# KiCad board Lime_RFE.kicad_pcb (continued)
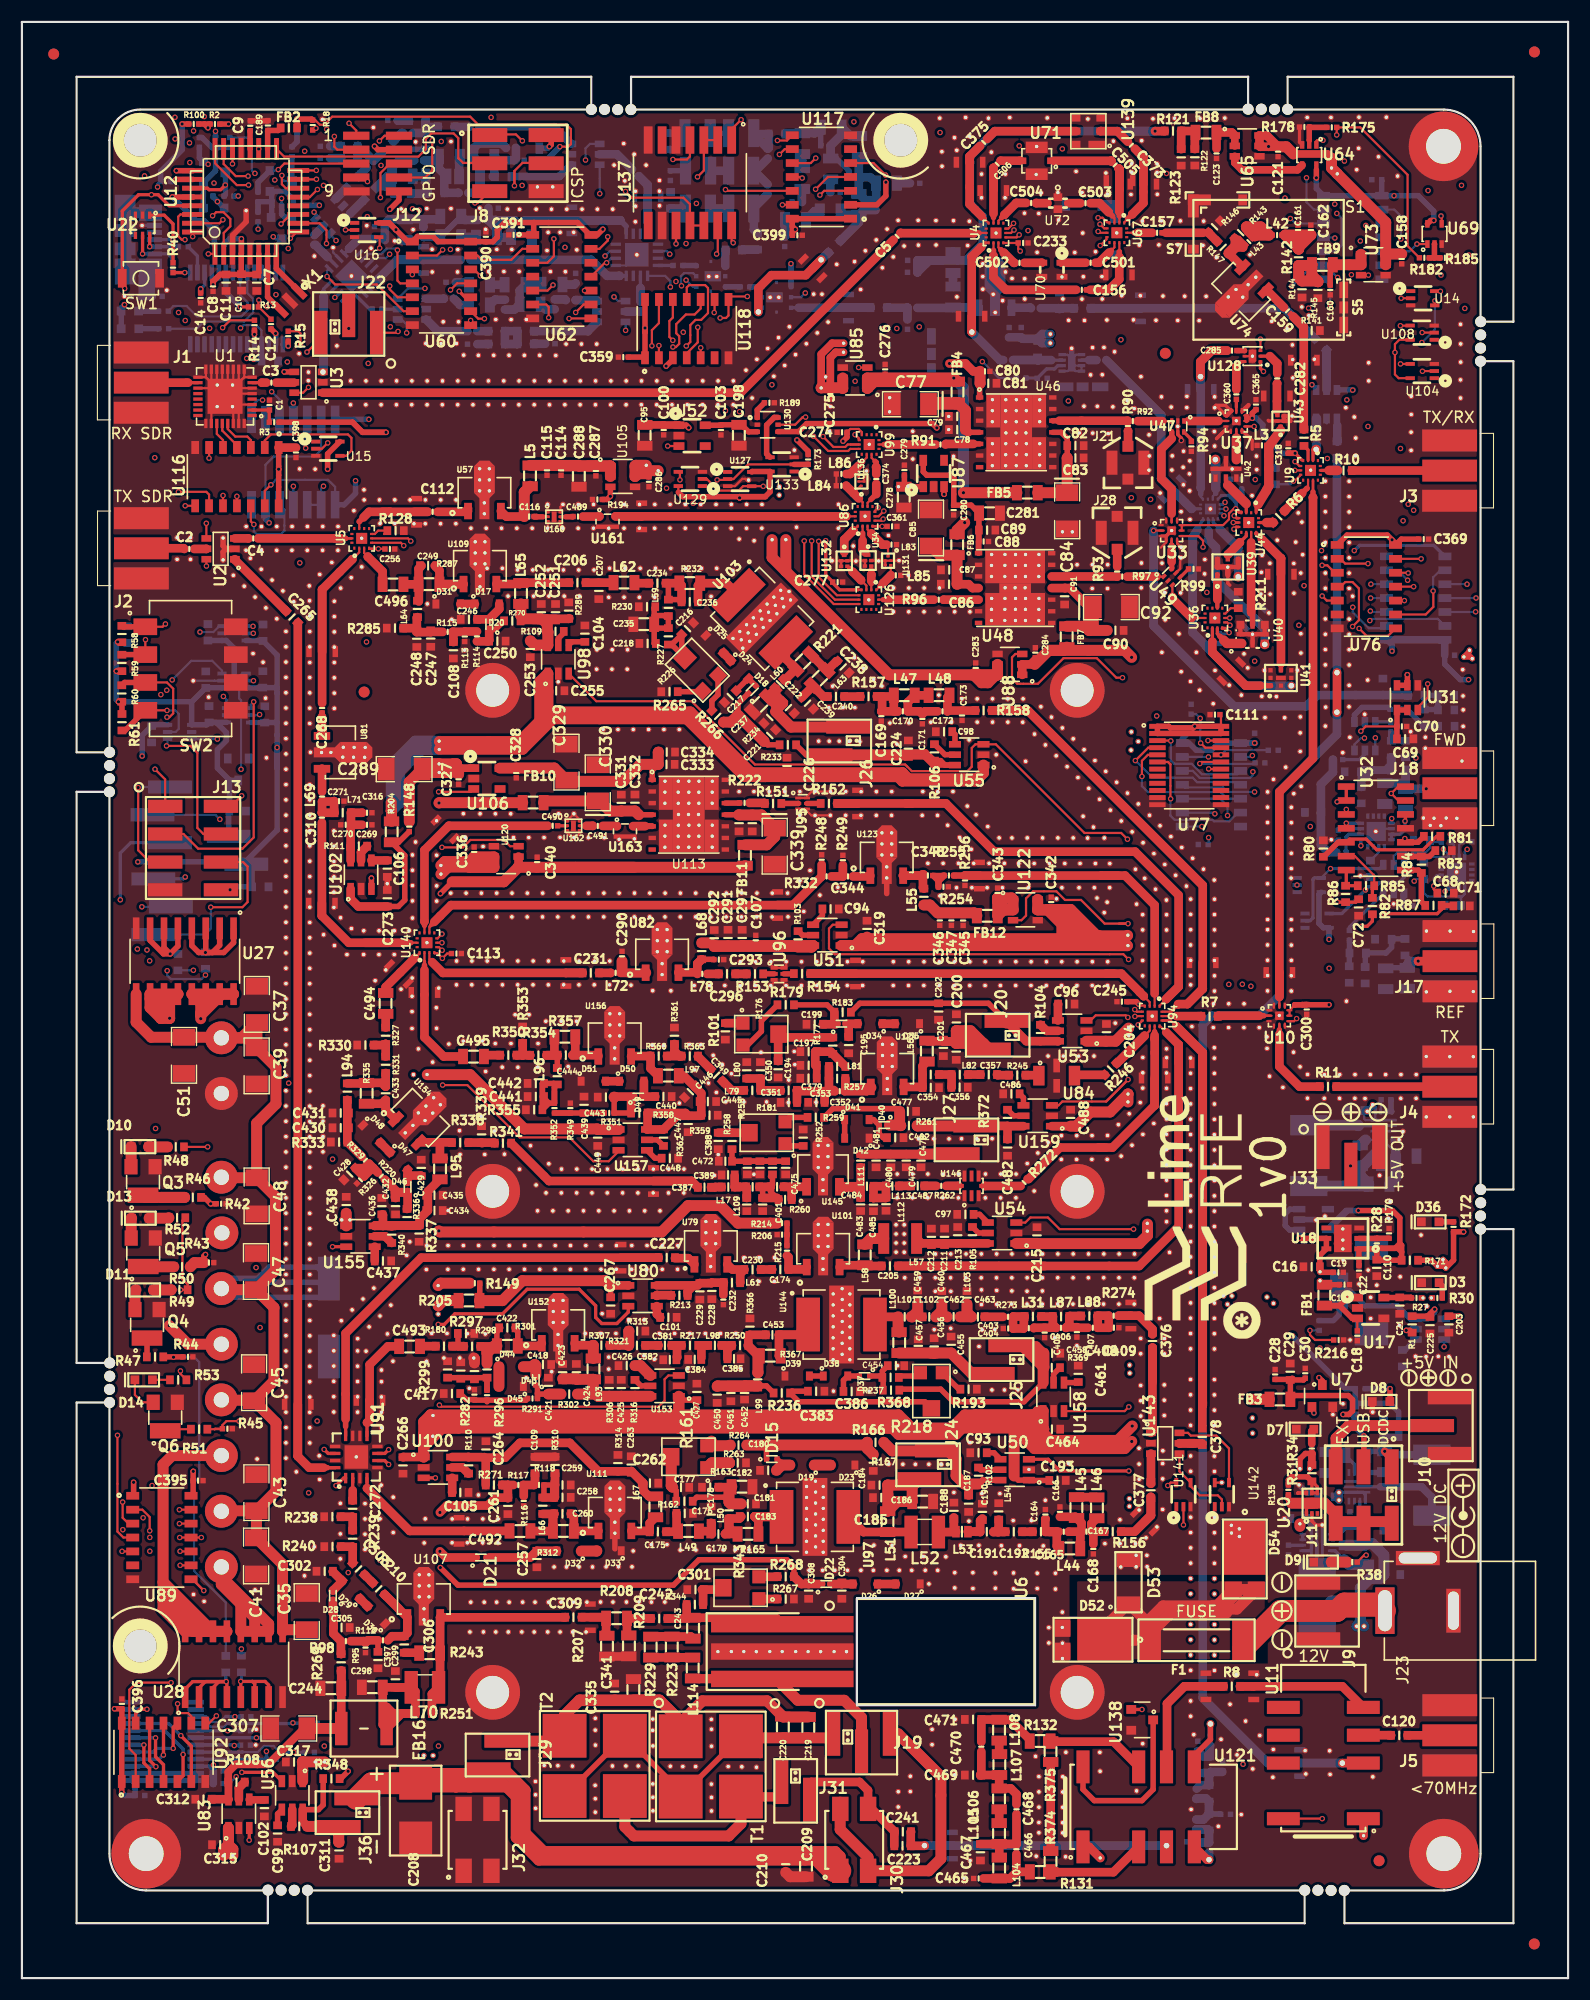
[diagram p0: board, top side]
## Placement (name value [footprint] x y rotation side) (continued)
GND_VIA#2154  VAL**  [GND_VIA]  54.57 42.69 0 bottom
GND_VIA#2155  VAL**  [GND_VIA]  54.57 43.69 0 bottom
GND_VIA#2156  VAL**  [GND_VIA]  111.41 153.39 0 bottom
GND_VIA#2157  VAL**  [GND_VIA]  112.6 155.21 0 bottom
GND_VIA#2158  VAL**  [GND_VIA]  111.89 154.53 0 bottom
GND_VIA#2159  VAL**  [GND_VIA]  110.09 153.41 0 bottom
GND_VIA#2160  VAL**  [GND_VIA]  110.79 154.09 0 bottom
GND_VIA#2161  VAL**  [GND_VIA]  26.15 146.55 0 bottom
GND_VIA#2162  VAL**  [GND_VIA]  26.14 145.78 0 bottom
GND_VIA#2163  VAL**  [GND_VIA]  106.7 15.39 0 bottom
GND_VIA#2164  VAL**  [GND_VIA]  110.89 20.37 0 bottom
GND_VIA#2165  VAL**  [GND_VIA]  37.15 35.79 0 bottom
GND_VIA#2166  VAL**  [GND_VIA]  37.15 34.79 0 bottom
GND_VIA#2167  VAL**  [GND_VIA]  36.69 33.7 0 bottom
GND_VIA#2168  VAL**  [GND_VIA]  36.69 32.7 0 bottom
GND_VIA#2169  VAL**  [GND_VIA]  36.26 34.79 0 bottom
GND_VIA#2170  VAL**  [GND_VIA]  36.26 35.79 0 bottom
GND_VIA#2171  VAL**  [GND_VIA]  36.26 36.81 0 bottom
GND_VIA#2172  VAL**  [GND_VIA]  37.15 36.81 0 bottom
GND_VIA#2173  VAL**  [GND_VIA]  36.79 78.26 180 bottom
GND_VIA#2174  VAL**  [GND_VIA]  37.49 78.94 180 bottom
GND_VIA#2175  VAL**  [GND_VIA]  35.69 77.81 180 bottom
GND_VIA#2176  VAL**  [GND_VIA]  34.98 77.13 180 bottom
GND_VIA#2177  VAL**  [GND_VIA]  36.17 78.96 180 bottom
GND_VIA#2178  VAL**  [GND_VIA]  38.19 79.7 180 bottom
GND_VIA#2179  VAL**  [GND_VIA]  37.57 80.34 180 bottom
GND_VIA#2180  VAL**  [GND_VIA]  36.87 79.58 180 bottom
GND_VIA#2181  VAL**  [GND_VIA]  20.46 161.28 0 bottom
GND_VIA#2182  VAL**  [GND_VIA]  57.52 85.12 0 bottom
GND_VIA#2183  VAL**  [GND_VIA]  58.55 85.09 0 bottom
GND_VIA#2184  VAL**  [GND_VIA]  61.93 85.17 0 bottom
GND_VIA#2185  VAL**  [GND_VIA]  60.9 85.2 0 bottom
GND_VIA#2186  VAL**  [GND_VIA]  63.08 84.2 0 bottom
GND_VIA#2187  VAL**  [GND_VIA]  63.91 83.38 0 bottom
GND_VIA#2188  VAL**  [GND_VIA]  64.75 82.53 0 bottom
GND_VIA#2189  VAL**  [GND_VIA]  67.44 84.48 0 bottom
GND_VIA#2190  VAL**  [GND_VIA]  65.89 79.94 0 bottom
GND_VIA#2191  VAL**  [GND_VIA]  67.96 79.95 0 bottom
GND_VIA#2192  VAL**  [GND_VIA]  49.85 83.19 0 bottom
GND_VIA#2193  VAL**  [GND_VIA]  43.83 83.13 0 bottom
GND_VIA#2194  VAL**  [GND_VIA]  45.26 83.11 0 bottom
GND_VIA#2195  VAL**  [GND_VIA]  47.07 83.14 0 bottom
GND_VIA#2196  VAL**  [GND_VIA]  42.32 82.73 0 bottom
GND_VIA#2197  VAL**  [GND_VIA]  112.07 157.26 0 bottom
H1  -  [HEAT_SINK_558-75AB]  69.63 71.79 0 bottom
IC1  -  [ADL5513]  123.58 104.64 0 bottom
IC2  -  [ADL5513]  130.91 100.91 270 bottom
J1  SMA_H_v3  [SMA_v2]  10.89 145.59 180 top
J2  SMA_H_v3  [SMA_v2]  10.9 130.47 180 top
J3  SMA_H_v3  [SMA_v2]  130.29 137.57 0 top
J4  SMA_H_v3  [SMA_v2]  130.3 81.34 0 top
J5  SMA_H_v3  [SMA_v2]  130.3 22.15 0 top
J6  -  [TSM-103-04-L-SV]  12.71 106.15 270 bottom
J7  -  [TSM-103-04-L-SV]  12.79 97.76 90 bottom
J8  -  [TSM-103-04-F-DV]  45.27 165.61 0 top
J9  -  [M20-8770342]  119.1 33.5 270 top
J10  -  [M20-8770342]  129.49 50.42 90 top
J11  -  [TSM-103-04-F-DV]  122.43 44.08 270 top
J12  M50-3600542  [PIN_HEADER_2X5]  32.46 165.58 0 top
J13  -  [TSM-104-04-T-DV]  15.62 103.12 0 top
J14  -  [TSM-102-04-T-SV]  19.67 102.92 90 bottom
J15  Screw_Terminal_1x02  [CONN_1757242]  18.2 83.26 90 bottom
J16  Screw_Terminal_1x08  [CONN_1757307]  18.2 55.3 90 bottom
J17  SMA_H_v3  [SMA_v2]  130.32 92.8 0 top
J18  SMA_H_v3  [SMA_v2]  130.31 108.58 0 top
J19  -  [TSM-103-04-L-SV]  76.62 21.49 180 top
J20  -  [TSM-102-04-T-SV]  89.05 86.04 90 top
J21  -  [UMC_SMD]  100.93 138.28 180 top
J22  -  [TSM-103-04-L-SV]  29.82 150.94 0 top
J23  -  [RAPC712X]  130.64 33.53 90 top
J24  -  [TSM-102-04-T-SV]  82.7 46.84 90 top
J25  -  [TSM-102-04-T-SV]  89.4 56.44 90 top
J26  -  [TSM-102-04-T-SV]  74.6 112.89 270 top
J27  -  [TSM-102-04-T-SV]  86.2 76.49 90 top
J28  -  [UMC_SMD]  99.95 131.89 0 top
J29  -  [TSM-102-04-T-SV]  43.4 20.35 90 top
J30  -  [PIN_HEADER_2X2_SSM-102-L-DV-K-TR]  75.95 12.61 90 top
J31  -  [TSM-102-04-T-SV]  70.61 17.08 0 top
J32  -  [PIN_HEADER_2X2_SSM-102-L-DV-K-TR]  41.58 12.61 90 top
J33  -  [M20-8770342]  121.27 75.03 180 top
J34  Jumper_SNM-100-BK-T  [SNM-100-BK-T]  13.12 104.83 90 bottom
J35  Jumper_SNM-100-BK-T  [SNM-100-BK-T]  12.89 99.09 270 bottom
J36  -  [TSM-102-04-T-SV]  29.71 15.09 270 top
J37  Jumper_SNM-100-BK-T  [SNM-100-BK-T]  125.01 44.15 0 top
J38  Jumper_SNM-100-BK-T  [SNM-100-BK-T]  28.57 150.68 180 top
J39  Jumper_SNM-100-BK-T  [SNM-100-BK-T]  84.19 46.88 90 top
J40  Jumper_SNM-100-BK-T  [SNM-100-BK-T]  90.38 86.02 90 top
J41  Jumper_SNM-100-BK-T  [SNM-100-BK-T]  75.87 112.92 90 top
J42  Jumper_SNM-100-BK-T  [SNM-100-BK-T]  44.82 20.4 90 top
J43  Jumper_SNM-100-BK-T  [SNM-100-BK-T]  75.36 22 0 top
J44  Jumper_SNM-100-BK-T  [SNM-100-BK-T]  31.12 15.1 90 top
J46  Jumper_SNM-100-BK-T  [SNM-100-BK-T]  70.59 18.44 0 top
J47  Jumper_SNM-100-BK-T  [SNM-100-BK-T]  90.78 56.46 90 top
J48  Jumper_SNM-100-BK-T  [SNM-100-BK-T]  87.54 76.48 90 top
L1  -  [SPM6530T-2R2M]  128.67 44.98 270 bottom
L2  -  [SPM6530T-2R2M]  118.2 34.62 90 bottom
L3  10nH_0402_LQW15AN10NG0ZD  [SMD0402]  113.16 139.87 180 top
L4  18nH_0603_LQW18AN18NG00D  [SMD0603]  92.69 148.65 270 bottom
L5  82nH_0805_LQW2BAS82NJ00L  [SMD0805]  46.38 137.09 270 top
L6  10u_0805  [SMD0805]  84.97 156.55 270 bottom
L7  10u_0805  [SMD0805]  84.97 153.4 270 bottom
L8  180nH_0805  [SMD0805]  73.76 161.25 180 bottom
L9  12nH_0805  [SMD0805]  70.6 160.45 180 bottom
L10  47nH_0805  [SMD0805]  76.38 161.86 270 bottom
L11  100nH_0805  [SMD0805]  78.9 163.8 0 bottom
L12  56nH_0805  [SMD0805]  76.43 167.14 270 bottom
L13  100nH_0805  [SMD0805]  73.8 165.09 270 bottom
L14  47nH_0805  [SMD0805]  73.86 168.91 0 bottom
L15  180nH_0805  [SMD0805]  71.22 167.4 270 bottom
L16  12nH_0805  [SMD0805]  71.2 164.22 270 bottom
L17  6.8nH_0603_Murata_LQW  [SMD0603_gap05]  64.46 72.19 180 top
L18  1.8uH_1008  [SMD1008_inductor]  65.64 168.36 180 bottom
L19  2.2uH_1008  [SMD1008_inductor]  61.66 168.36 180 bottom
L20  210nH_0603_0603CS-R21XGLU  [SMD0603]  38.72 168.94 0 bottom
L21  1.8uH_1008  [SMD1008_inductor]  65.63 164.93 180 bottom
L22  2.2uH_1008  [SMD1008_inductor]  61.7 164.93 180 bottom
L23  200nH_0603_0603HP-R20XGLU  [SMD0603]  36.09 169.51 180 bottom
L24  1.8uH_1008  [SMD1008_inductor]  65.65 161.49 180 bottom
L25  1.2uH_1008  [SMD1008_inductor]  61.68 161.48 180 bottom
L26  51nH_0603_0603HP-51NXJLU  [SMD0603]  36.82 167.64 270 bottom
L27  390nH_0603_0603HP-R39XGLU  [SMD0603]  33.36 167.09 45 bottom
L28  120nH_0603_0603HP-R12XJLW  [SMD0603]  29.88 167.18 180 bottom
L29  18nH_0603_0603HP-18NXGLU  [SMD0603]  29.88 166.05 180 bottom
L30  250nH_0603_0603HP-R25XGLU  [SMD0603]  30.17 163.9 45 bottom
L31  27nH_0603_0603HP-27NXJLW  [SMD0603]  92.26 60.37 180 top
L32  330nH_0805  [SMD0805]  46.38 152.74 0 bottom
L33  39nH_0805  [SMD0805]  45 154.53 180 bottom
L34  12nH_0805  [SMD0805]  41.77 154.51 180 bottom
L35  27nH_0805  [SMD0805]  48.38 154.55 0 bottom
L36  330nH_0805  [SMD0805]  41.74 152.68 0 bottom
L37  3.9nH_0805  [SMD0805]  45.59 158.86 0 bottom
L38  39nH_0805  [SMD0805]  42.39 158.84 0 bottom
L39  12nH_0805  [SMD0805]  39.13 158.89 0 bottom
L40  22nH_0805  [SMD0805]  39.14 160.76 0 bottom
L41  3.9nH_0805  [SMD0805]  34.97 159.55 270 bottom
L42  56nH_0402_LQG15HS56NJ02D  [SMD0402]  114.54 159.06 180 top
L43  270nH_0402_LQG15HSR27J02D  [SMD0402]  111.97 158.46 225 top
L44  27nH_0805  [SMD0805]  95.63 39.19 180 top
L45  22nH_0805  [SMD0805]  96.24 42.94 270 top
L46  18nH_0805  [SMD0805]  98.09 42.91 90 top
L47  10nH_0805_0805HT-10NTJLC  [SMD0805]  80.52 117.06 180 top
L48  15nH_0805_0805HT-15NTJLB  [SMD0805]  83.69 117.06 180 top
L49  68nH_0805_LQW2BAS68NG00L  [SMD0805]  60.83 40.78 180 top
L50  27nH_0603_LQG18HN27NJ00D  [SMD0603]  64.53 42.69 270 top
L51  78nH_0805_0805LS-78NXJLB  [SMD0805]  79 41.66 270 top
L52  12nH_1008_1008HQ-12NXJLB  [SMD1008]  82.39 40.7 180 top
L53  1.15nH_0604_0604HQ-1N1XJLB  [SMD0604]  85.78 40.74 180 top
L54  68nH_0603_0603CS-68NXGLU  [SMD0603]  89.14 42.59 90 top
L55  25nH_0402_LQW15AN25NJ80D  [SMD0603]  82.31 98.67 90 top
L56  12nH_0805_LQW2BAN12NG00L  [SMD0805]  82.6 84.59 270 top
L57  33uH_1210_CBC3225T330KR  [SMD1210]  80.15 67.49 180 top
L58  78nH_0805_0805LS-78NXJLB  [SMD0805]  76.93 66 270 top
L59  27nH_0603_LQG18HN27NJ00D  [SMD0603]  59 125.04 90 top
L60  4.5nH_0604_0604HQ-4N5XJLB  [SMD0604]  69.2 118.04 45 top
L61  500nH_0402_LQW15CAR50K00D  [SMD0603]  64.8 63.46 0 top
L62  5.6nH_0805_0805HQ-5N6XJLC  [SMD0805]  54.95 127.34 180 top
L63  3.9nH_0805_0805HT-3N9TJLB  [SMD0805]  72.8 118.64 45 top
L64  27nH_0603_LQG18HN27NJ00D  [SMD0603]  36.1 124.94 90 top
L65  78nH_0805_0805LS-78NXJLB  [SMD0805]  45.53 126.35 90 top
L66  27nH_0603_LQG18HN27NJ00D  [SMD0603]  47.53 43.11 270 top
L67  78nH_0805_0805LS-78NXJLB  [SMD0805]  57.82 43 270 top
L68  25nH_0402_LQW15AN25NJ80D  [SMD0603]  62.03 93.72 270 top
L69  780pH_0402_0402PA-0N8XJLW  [SMD0402]  27.39 107.81 90 top
L70  18uF_1008_1008LS-183XJLB  [SMD1008]  36.78 26.53 0 top
L71  18nH_0603_LQW18AN18NG00D  [SMD0603]  29.27 106.35 180 top
L72  5.1nH_0402_LQW15AN25NJ80D  [SMD0402]  54.18 91.73 180 top
L73  330nH_0805  [SMD0805]  42.15 166.21 0 bottom
L74  220nH_0805  [SMD0805]  40.86 164.4 0 bottom
L75  120nH_0805  [SMD0805]  39.01 166.23 0 bottom
L76  220nH_0805  [SMD0805]  37.79 164.43 0 bottom
L77  150nH_0805  [SMD0805]  34.71 164.43 0 bottom
L78  3nH_0402_LQW15AN3N0B80D  [SMD0402]  62.09 91.64 180 top
L79  3.9nH_0603_LQW  [SMD0603]  66.65 81.01 180 top
L80  2.2nH_0603_LQW_NF  [SMD0603]  66.15 82.84 90 top
L81  12nH_0603_Murata_LQW  [SMD0603]  74.4 83.19 180 top
L82  10nH_0603_0603HP-10NXGLW  [SMD0603]  85.59 82.44 180 top
L83  33nH_0402_LQG15HS33NJ02D  [SMD0402]  79.36 130.81 180 top
L84  5.1nH_0402_LQG15HS5N1S02D  [SMD0402]  74.77 136.18 0 top
L85  12nH_0402_LQG15HS12NH02D  [SMD0402]  79.75 128.01 180 top
L86  5.1nH_0402_LQG15HS5N1S02D  [SMD0402]  74.78 137.26 0 top
L87  24nH_0603_0603HP-24NXGLU  [SMD0603]  94.83 60.37 180 top
L88  39nH_0603_0603HP-39NXGLU  [SMD0603]  97.41 60.42 180 top
L89  72nH_0603_0603HP-72NXGLU  [SMD0603]  108.32 14.22 270 bottom
L90  72nH_0603_0603HP-72NXGLU  [SMD0603]  108.34 16.85 270 bottom
L91  100nH_0603_0603HP-R10XJLU  [SMD0603]  108.38 19.47 270 bottom
L92  27nH_0603_LQG18HN27NJ00D  [SMD0603]  42.45 55.54 90 top
L93  78nH_0805_0805LS-78NXJLB  [SMD0805]  52.15 55.59 90 top
L94  27nH_0603_LQG18HN27NJ00D  [SMD0603]  29.7 80.89 90 top
L95  78nH_0805_0805LS-78NXJLB  [SMD0805]  38.15 73.84 90 top
L96  27nH_0603_LQG18HN27NJ00D  [SMD0603]  48.86 82.3 90 top
L97  78nH_0805_0805LS-78NXJLB  [SMD0805]  59 82.34 180 top
L98  24nH_0603_Murata_LQW18  [SMD0603_gap05]  63.24 57.74 180 top
L99  27nH_0603_LQG18HN27NJ00D  [SMD0603]  67.15 54.64 90 top
L100  10nH_0805_Murata  [SMD0805]  80.05 57.99 90 top
L101  11nH_0603_Coilcraft_0603HP  [SMD0603_gap05]  80.56 60.34 180 top
L102  30nH_0603_Coilcraft_0603HP  [SMD0603_gap05]  82.8 60.34 180 top
L103  75nH_0603_Coilcraft_0603HP  [SMD0603_gap05]  86.25 62.09 90 top
L104  330nH_0805  [SMD0805]  89.19 10.04 270 top
L105  220nH_0805  [SMD0805]  89.18 13.19 270 top
L106  120nH_0805  [SMD0805]  89.18 16.35 270 top
L107  220nH_0805  [SMD0805]  89.21 19.48 270 top
L108  150nH_0805  [SMD0805]  89.18 22.62 270 top
L109  2.2nH_0603_Murata_LQW  [SMD0603_gap05]  66.15 70.59 270 top
L110  12nH_0603_Murata_LQW  [SMD0603_gap05]  68.5 73.94 270 top
L111  12nH_0805_Murata_LQW  [SMD0603_gap05]  76.55 74.59 270 top
L112  360nH_0603_Coilcraft_0603HP_NF  [SMD0603_gap05]  78.85 70.62 90 top
L113  3.6nH_0603_Coilcraft_0603HP  [SMD0603_gap05]  79.43 72.28 180 top
L114  470nH_0805_0805LS-471XGLB  [SMD0805]  61.2 28.3 90 top
L115  10nH_0603_0603HP-10NXGLW  [SMD0603]  45.96 150.29 0 bottom
L116  10nH_0603_0603HP-10NXGLW  [SMD0603]  43.32 149.12 0 bottom
L117  10nH_0603_0603HP-10NXGLW  [SMD0603]  45.97 149.13 180 bottom
L118  10nH_0603_0603HP-10NXGLW  [SMD0603]  43.33 150.29 0 bottom
L119  -  [SPM6530T-2R2M]  117.44 75.06 90 bottom
LimeNET-Micro  LimeNET-Micro v2.0  [LimeNET_Micro_v2.0]  45.5 99.01 180 top
Mounting Pad  VAL**  [Mounting Pad]  129.76 11.35 0 top
Mounting Pad#2  VAL**  [Mounting Pad]  129.73 167.16 0 top
Mounting Pad#3  VAL**  [Mounting Pad]  11.34 11.35 0 top
P1  -  [FAN_CONN_3]  123.16 62.7 270 bottom
P2  -  [probe_v1]  54.66 65.74 90 top
P4  CONN_1  [Fiducial]  138.01 3.11 0 top
P4#2  CONN_1  [Fiducial]  31.23 117.36 0 top
P4#3  CONN_1  [Fiducial]  138.03 175.77 0 top
P4#4  probe_v1  [Fiducial]  2.9 175.58 0 top
P5  -  [probe_v1]  39.89 40.81 90 top
P6  -  [probe_v1]  34.39 91.63 135 top
P7  -  [probe_v1]  36.73 89.95 0 top
P8  -  [probe_v1]  49.63 91.72 90 top
P9  -  [probe_v1]  51.87 32.93 90 top
P14  -  [probe_v1]  38.64 104.83 135 top
P15  -  [probe_v1]  68.96 97.92 90 top
P17  -  [probe_v1]  57.64 72.74 90 top
P18  -  [probe_v1]  84.9 12.09 90 bottom
P24  -  [probe_v1]  87.38 100.61 90 top
P27  -  [probe_v1]  108.04 26.62 90 top
P28  -  [probe_v1]  105.55 83.53 180 top
P30  -  [probe_v1]  103.37 82.13 0 top
P31  -  [probe_v1]  101.2 60.46 90 top
P32  -  [probe_v1]  102.47 41.66 135 top
P33  -  [probe_v1]  76.08 91.67 90 top
P34  -  [probe_v1]  76.27 107.19 90 top
P35  -  [probe_v1]  107.75 92.66 0 top
P40  -  [probe_v1]  112.41 26.62 90 top
P41  -  [probe_v1]  116.61 19.63 90 bottom
P43  -  [probe_v1]  114.75 91.76 0 top
P44  -  [probe_v1]  36.02 133.81 90 top
P45  -  [probe_v1]  31.72 52.72 0 top
P50  -  [probe_v1]  56.56 133.39 90 top
P56  -  [probe_v1]  86.67 151.65 0 top
P57  -  [probe_v1]  104.94 135.87 45 bottom
P59  -  [probe_v1]  110.37 119.24 45 top
P64  -  [probe_v1]  112.41 124.16 45 bottom
P67  -  [probe_v1]  107.57 144.96 0 bottom
P69  -  [probe_v1]  114.52 144.38 0 top
P74  -  [probe_v1]  114.89 128.11 0 top
P79  -  [probe_v1]  36.66 156.8 90 bottom
P88  -  [probe_v1]  50.18 160.4 90 bottom
P90  -  [probe_v1]  57.09 162.55 0 bottom
P94  -  [probe_v1]  72.15 156.02 135 top
P95  -  [probe_v1]  75.43 152.44 270 bottom
P96  -  [probe_v1]  102.07 152.38 270 bottom
P99  -  [probe_v1]  86.48 165.7 0 top
P100  -  [probe_v1]  88.65 163.12 0 top
P104  -  [probe_v1]  100.16 164.02 0 top
P105  -  [probe_v1]  100.1 155.43 0 top
P106  -  [probe_v1]  102.34 163.71 0 top
P108  -  [probe_v1]  116.98 147.64 0 top
P109  -  [probe_v1]  27.4 121.05 0 top
P110  -  [probe_v1]  25.17 52.35 0 top
P112  -  [probe_v1]  27.37 98.09 0 top
P?  probe_v1  [Fiducial]  123.85 10.71 0 top
P?#2  probe_v1  [Fiducial]  104.34 148.27 0 top
Q1  -  [BSN20]  17.5 160.53 0 bottom
Q2  -  [BSN20]  17.57 164.78 90 bottom
Q3  BC847  [BC817_SOT-23]  11.05 72.74 0 top
Q4  BC847  [BC817_SOT-23]  11.42 59.71 0 top
Q5  BC847  [BC817_SOT-23]  11.07 66.23 0 top
Q6  BC847  [BC817_SOT-23]  13.08 51.24 0 top
Q7  -  [BSN20]  23.69 159.68 0 bottom
Q8  -  [BSN20]  23.63 164 90 bottom
R1  330R_0603_CRGCQ0603J330R  [SMD0603]  126.87 59.65 90 top
R2  2k2_0402_ERJ-2RKF2201X  [SMD0402]  17.61 169.19 0 top
R3  0R_0402_RCS04020000Z0ED  [SMD0402]  23.02 141.98 180 top
R4  0R_0402_RCS04020000Z0ED  [SMD0402]  13.11 163.95 0 bottom
R5  0R_0603_RCS06030000Z0EA  [SMD0603]  117 140.57 90 top
R6  0R_0603_RCS06030000Z0EA  [SMD0603]  114.69 133.36 225 top
R7  0R_0603_RCS06030000Z0EA  [SMD0603]  108.38 87.77 180 top
R8  0R_0603_RCS06030000Z0EA  [SMD0603]  110.41 26.62 180 top
R9  0R_0603_RCS06030000Z0EA  [SMD0603]  114.38 137.06 90 bottom
R10  0R_0603_RCS06030000Z0EA  [SMD0603]  120.61 137.57 180 top
R11  0R_0603_RCS06030000Z0EA  [SMD0603]  119.19 81.35 180 top
R12  619K_0805_ERJ-6ENF6193V  [SMD0805]  123.85 72.45 180 bottom
R13  1K_0402_CRGP0402F1K0  [SMD0402]  21.13 152.5 0 top
R14  1K_0402_CRGP0402F1K0  [SMD0402]  21.22 150.83 90 top
R15  1K_0402_CRGP0402F1K0  [SMD0402]  24.3 149.83 90 top
R16  1K_0402_CRGP0402F1K0  [SMD0402]  12.94 150.51 180 bottom
R17  1K_0402_CRGP0402F1K0  [SMD0402]  12.92 152.12 180 bottom
R18  10K_0402_Yageo  [SMD0402]  26.54 169.1 90 top
R19  2k2_0402_ERJ-2RKF2201X  [SMD0402]  18.01 158.24 0 bottom
R20  2k2_0402_ERJ-2RKF2201X  [SMD0402]  18.9 162.62 0 bottom
R21  2k2_0402_ERJ-2RKF2201X  [SMD0402]  16.99 162.62 180 bottom
R22  2k2_0402_ERJ-2RKF2201X  [SMD0402]  16.19 167.51 90 bottom
R23  NF_0R_0402_RCS04020000Z0ED  [SMD0402]  18.96 167.51 270 bottom
R24  0R_0402_RCS04020000Z0ED  [SMD0402]  17.67 167.49 270 bottom
R25  619K_0805_ERJ-6ENF6193V  [SMD0805]  121.73 47.7 0 bottom
R26  100k_0805  [SMD0805]  119.12 47.05 90 bottom
R27  0R_0402_RCS04020000Z0ED  [SMD0402]  127.26 62.07 180 top
R28  39K_0402_Yageo  [SMD0402]  123.64 67.04 270 top
R29  100k_0805  [SMD0805]  124.36 47.12 90 bottom
R30  330R_0402_RC0402JR-07330RL  [SMD0402]  129.16 62.07 180 top
R31  0R_0603_RCS06030000Z0EA  [SMD0603]  117.72 46.08 270 top
R32  976K_0805_ERJ-6ENF9763V  [SMD0805]  120.87 40.45 270 bottom
R33  100k_0805  [SMD0805]  123.37 41.19 180 bottom
R34  680R_0402_RC0402FR-07680RL  [SMD0402]  117.71 48.32 270 top
R35  680R_0402_RC0402FR-07680RL  [SMD0402]  122.13 53.79 180 bottom
R36  100k_0805  [SMD0805]  122.7 38.7 90 bottom
R37  0R_0603_RCS06030000Z0EA  [SMD0603]  122.14 33.67 90 bottom
R38  1K_0402_CRGP0402F1K0  [SMD0402]  121.4 37.96 0 top
R39  22R_0402_RC0402JR-0722RL  [SMD0402]  14.73 157.99 180 bottom
R40  22R_0402_RC0402JR-0722RL  [SMD0402]  13.79 156.08 90 top
R41  1M_0402_RC0402FR-071ML  [SMD0402]  12.34 153.46 0 bottom
R42  NF_SMD_0402  [SMD0402]  18.18 70.66 180 top
R43  NF_SMD_0402  [SMD0402]  17.06 65.29 180 top
R44  NF_SMD_0402  [SMD0402]  15.15 56.69 180 top
R45  NF_SMD_0402  [SMD0402]  18.75 50.13 180 top
R46  47K_0603  [SMD0603]  15.59 71.24 0 top
R47  47K_0603  [SMD0603]  12.15 56.69 0 top
R48  220R_0603  [SMD0603]  14.04 75.85 0 top
R49  220R_0603  [SMD0603]  14.37 62.81 0 top
R50  47K_0603  [SMD0603]  14.61 64.91 0 top
R51  47K_0603  [SMD0603]  16.17 50.09 0 top
R52  220R_0603  [SMD0603]  14.16 69.38 0 top
R53  220R_0603  [SMD0603]  14.26 54.59 0 top
R54  0R_0603_RCS06030000Z0EA  [SMD0603]  16.75 92.85 270 bottom
R55  0R_0603_RCS06030000Z0EA  [SMD0603]  14.23 92.72 270 bottom
R56  0R_0603_RCS06030000Z0EA  [SMD0603]  18.6 28.65 90 bottom
R57  0R_0603_RCS06030000Z0EA  [SMD0603]  20.03 28.66 90 bottom
R58  10K_0603  [SMD0603]  9.12 122.65 270 top
R59  10K_0603  [SMD0603]  9.12 120.01 270 top
R60  10K_0603  [SMD0603]  9.11 117.22 270 top
R61  10K_0603  [SMD0603]  9.13 114.6 90 top
R62  120R_0805_Panasonic  [SMD0805]  126.41 91.24 270 bottom
R63  120R_0805_Panasonic  [SMD0805]  126.27 107.58 270 bottom
R64  120R_0805_Panasonic  [SMD0805]  124.45 91.2 270 bottom
R65  294R_0603_Yageo  [SMD0603]  124.19 117.83 90 bottom
R66  120R_0805_Panasonic  [SMD0805]  124.38 108.1 270 bottom
R67  249R_0603_CRCW0603249RFKEAHP  [SMD0603]  126.22 94.08 270 bottom
R68  17R8_0603_Vishay  [SMD0603]  127.24 117.06 0 bottom
R69  249R_0603_CRCW0603249RFKEAHP  [SMD0603]  125.7 110.24 0 bottom
R70  60R4_0603_Yageo  [SMD0603]  124.24 94.8 180 bottom
R71  294R_0603_Yageo  [SMD0603]  129.95 117.05 0 bottom
R72  60R4_0603_Yageo  [SMD0603]  121.46 110.09 180 bottom
R73  0R_0603_RCS06030000Z0EA  [SMD0603]  121.9 93.55 0 bottom
R74  0R_0603_RCS06030000Z0EA  [SMD0603]  127.98 115.01 90 bottom
R75  0R_0603_RCS06030000Z0EA  [SMD0603]  124.97 112.16 270 bottom
R76  52R3_0603_Yageo  [SMD0603]  117.83 106.38 180 bottom
R77  52R3_0603_Yageo  [SMD0603]  127.74 103.81 180 bottom
R78  11k5_0603_Yageo  [SMD0603]  127.93 101.04 90 bottom
R79  2k32_0603_Yageo  [SMD0603]  130.57 97.9 0 bottom
R80  20K_0603_ESR03EZPJ203  [SMD0603]  118.76 103.08 270 top
R81  10K_0603_ESR03EZPJ103  [SMD0603]  128.69 104.19 180 top
R82  10K_0603_ESR03EZPJ103  [SMD0603]  123.24 97.83 270 top
R83  20K_0603_ESR03EZPJ203  [SMD0603]  129.74 102.89 180 top
R84  20K_0603_ESR03EZPJ203  [SMD0603]  127.7 101.6 270 top
R85  20K_0603_ESR03EZPJ203  [SMD0603]  122.65 99.69 0 top
R86  0R_0603_RCS06030000Z0EA  [SMD0603]  120.79 98.93 90 top
R87  0R_0603_RCS06030000Z0EA  [SMD0603]  128.81 97.88 180 top
R88  11K_0402_Panasonic  [SMD0402]  93.11 145.99 180 bottom
R89  33K_0402_Yageo  [SMD0402]  91.18 146.01 0 bottom
R90  0RNF_0402_Yageo  [SMD0402]  100.93 141.64 90 top
R91  0R_0402_Yageo  [SMD0402]  83.82 139.95 180 top
R92  0R_0402_Yageo  [SMD0402]  101.38 142.08 0 top
R93  0RNF_0402_Yageo  [SMD0402]  99.95 128.36 270 top
R94  50R_0402_Yageo  [SMD0402]  106.72 139.78 270 top
R95  10K_0402_Yageo  [SMD0402]  31.35 30.15 270 top
R96  0R_0402_Yageo  [SMD0402]  83.67 125.78 180 top
R97  0R_0402_Yageo  [SMD0402]  100.41 127.9 0 top
R98  30K_0402_Yageo  [SMD0402]  29.56 30.75 180 top
R99  50R_0402_Yageo  [SMD0402]  106.91 128.59 0 top
R100  0RNF_0402_RC0402JR-070RL  [SMD0402]  15.68 169.19 0 top
R101  1K_0603_ESR03EZPJ102  [SMD0603]  64.2 86.39 90 top
R102  330R_0603_CRGCQ0603J330R  [SMD0603]  87.3 45.84 90 top
R103  330R_0603_CRGCQ0603J330R  [SMD0603]  70.83 94.79 90 top
R104  330R_0603_CRGCQ0603J330R  [SMD0603]  92.95 86.24 90 top
R105  330R_0603_CRGCQ0603J330R  [SMD0603]  86.75 67.79 90 top
R106  330R_0603_CRGCQ0603J330R  [SMD0603]  83.27 111.85 90 top
R107  330R_0603_CRGCQ0603J330R  [SMD0603]  25.31 13.84 180 top
R108  330R_0603_CRGCQ0603J330R  [SMD0603]  19.58 17.88 0 top
R109  330R_0603_CRGCQ0603J330R  [SMD0603]  48.7 122.89 0 top
R110  330R_0603_CRGCQ0603J330R  [SMD0603]  40.76 46.79 270 top
R111  330R_0603_CRGCQ0603J330R  [SMD0603]  30.75 103.29 0 top
R112  3.3K_0402_CRCW01003K30FREL  [SMD0402]  32.95 30.82 180 top
R113  10K_0402_Yageo  [SMD0402]  40.41 122.42 90 top
R114  30K_0402_Yageo  [SMD0402]  41.52 122.44 270 top
R115  100R_0402_ESR01MZPF1000  [SMD0402]  38.86 122.85 0 top
R116  10K_0402_Yageo  [SMD0402]  45.8 43.54 90 top
R117  30K_0402_Yageo  [SMD0402]  45.3 45 180 top
R118  100R_0402_ESR01MZPF1000  [SMD0402]  47.19 45 180 top
R119  0R_0603_RCS06030000Z0EA  [SMD0603]  96.78 152.38 0 bottom
R120  NF_SMD_0603  [SMD0603]  94.68 153.07 270 bottom
R121  0R_0603_RCS06030000Z0EA  [SMD0603]  105.04 168.56 0 top
R122  NF_SMD_0603  [SMD0603]  107.04 166.16 90 top
R123  NF_SMD_0603  [SMD0603]  105.79 166.15 90 top
R124  10K_0402_Yageo  [SMD0402]  80.81 150.91 90 bottom
R125  0R_0603_RCS06030000Z0EA  [SMD0603]  78.19 152.43 0 bottom
R126  0R_0603_RCS06030000Z0EA  [SMD0603]  74.15 158 225 bottom
R127  0R_0603_RCS06030000Z0EA  [SMD0603]  64.97 157.69 0 bottom
R128  0R_0603_RCS06030000Z0EA  [SMD0603]  34.1 132.09 180 top
R129  5K1_0402  [SMD0402]  26.24 20.59 180 bottom
R130  0R_0402_Yageo  [SMD0402]  65.99 154.33 180 bottom
R131  0R_0805  [SMD0805]  92.93 9.69 0 top
R132  0R_0805  [SMD0805]  92.92 21.62 180 top
R133  100k_0805  [SMD0805]  126.31 75.02 180 bottom
R134  100k_0805  [SMD0805]  122.12 75.04 270 bottom
R135  NF_0R_0402_RCS04020000Z0ED  [SMD0402]  115.57 44.56 270 top
R140  10K_0402_Yageo  [SMD0402]  17.91 18.9 0 bottom
R141  NF_SMD_0603  [SMD0603]  117.7 150.35 0 top
R142  0R_0603_RCS06030000Z0EA  [SMD0603]  116.51 157.03 270 top
R143  1k_0402  [SMD0603]  111.22 159.28 45 top
R144  NF_SMD_0603  [SMD0603]  116.82 154.12 90 top
R145  NF_SMD_0603  [SMD0603]  118.27 154.06 90 top
R146  NF_SMD_0603  [SMD0603]  108.84 159.82 225 top
R147  0R_0603_RCS06030000Z0EA  [SMD0603]  109.61 157.94 315 top
R148  NF_0R_0402_RCS04020000Z0ED  [SMD0402]  35.35 105.07 270 top
R149  NF_0R_0402_RCS04020000Z0ED  [SMD0402]  41.33 63.41 0 top
R151  0R_0603_RCS06030000Z0EA  [SMD0603]  68.55 107.19 180 top
R152  0R_0603_RCS06030000Z0EA  [SMD0603]  73.65 107.19 180 top
R153  0R_0603_RCS06030000Z0EA  [SMD0603]  66.9 91.64 180 top
R154  0R_0603_RCS06030000Z0EA  [SMD0603]  71.2 91.66 180 top
R155  0R_0603_RCS06030000Z0EA  [SMD0603]  92.99 40.73 180 top
R156  0R_0603_RCS06030000Z0EA  [SMD0603]  99.55 40.74 180 top
R157  0R_0603_RCS06030000Z0EA  [SMD0603]  77.26 116.96 180 top
R158  0R_0603_RCS06030000Z0EA  [SMD0603]  87.76 115.68 180 top
R159  5K1_0402  [SMD0402]  106.69 115.8 270 bottom
R160  5K1_0402  [SMD0402]  114.19 112.05 180 bottom
R161  10K_TRIMMER_TC33X-2-103E  [SMD_TC33X]  60.7 47.58 90 top
R162  1K_0603_ESR03EZPJ102  [SMD0603]  60.46 43.51 180 top
R163  NF_SMD_0603  [SMD0603]  62.81 44.8 0 top
R164  5K1_0402  [SMD0402]  112.98 110.89 180 bottom
R165  50R_0805_RCS080551R0FKEA  [SMD0805]  66.26 40.52 180 top
R166  200R_0603  [SMD0603]  77.9 48.89 0 top
R167  NF_SMD_0603  [SMD0603]  78.27 44.99 180 top
R168  10K_0402_Yageo  [SMD0402]  17.91 17.75 180 bottom
R169  5K1_0402  [SMD0402]  107.8 103.44 0 bottom
R170  10K_0402_Yageo  [SMD0402]  124.76 67.96 270 top
R171  0R_0603_RCS06030000Z0EA  [SMD0603]  126.66 65.51 180 top
R172  150R_0402  [SMD0402]  130.64 68.55 90 top
R173  10K_0402_Yageo  [SMD0402]  71.75 138.58 270 top
R174  5K1_0402  [SMD0402]  20.4 21.26 180 bottom
R175  10K_0402_Yageo  [SMD0402]  119.53 168.89 180 top
R176  10K_TRIMMER_TC33X-2-103E  [SMD_TC33X]  67.6 86.14 270 top
R177  1K_0603_ESR03EZPJ102  [SMD0603]  74 85.09 270 top
R178  10K_0402_Yageo  [SMD0402]  117.03 168.92 180 top
R179  20K_0603_RC0603FR-0720KL  [SMD0603]  69.7 88.81 180 top
R180  0R_0603_RCS06030000Z0EA  [SMD0603]  38.52 57.67 180 top
R181  NF_SMD_0603  [SMD0603]  69.98 79.9 0 top
R182  10K_0402_Yageo  [SMD0402]  127.98 156.98 0 top
R183  1K_0603_ESR03EZPJ102  [SMD0603]  74.9 88.14 0 top
R185  10K_0402_Yageo  [SMD0402]  129.85 156.98 0 top
R186  2k2_0402_ERJ-2RKF2201X  [SMD0402]  24.65 166.66 90 bottom